# Altium PCB MB1936.PcbDoc (part 1 of 13) (continued)
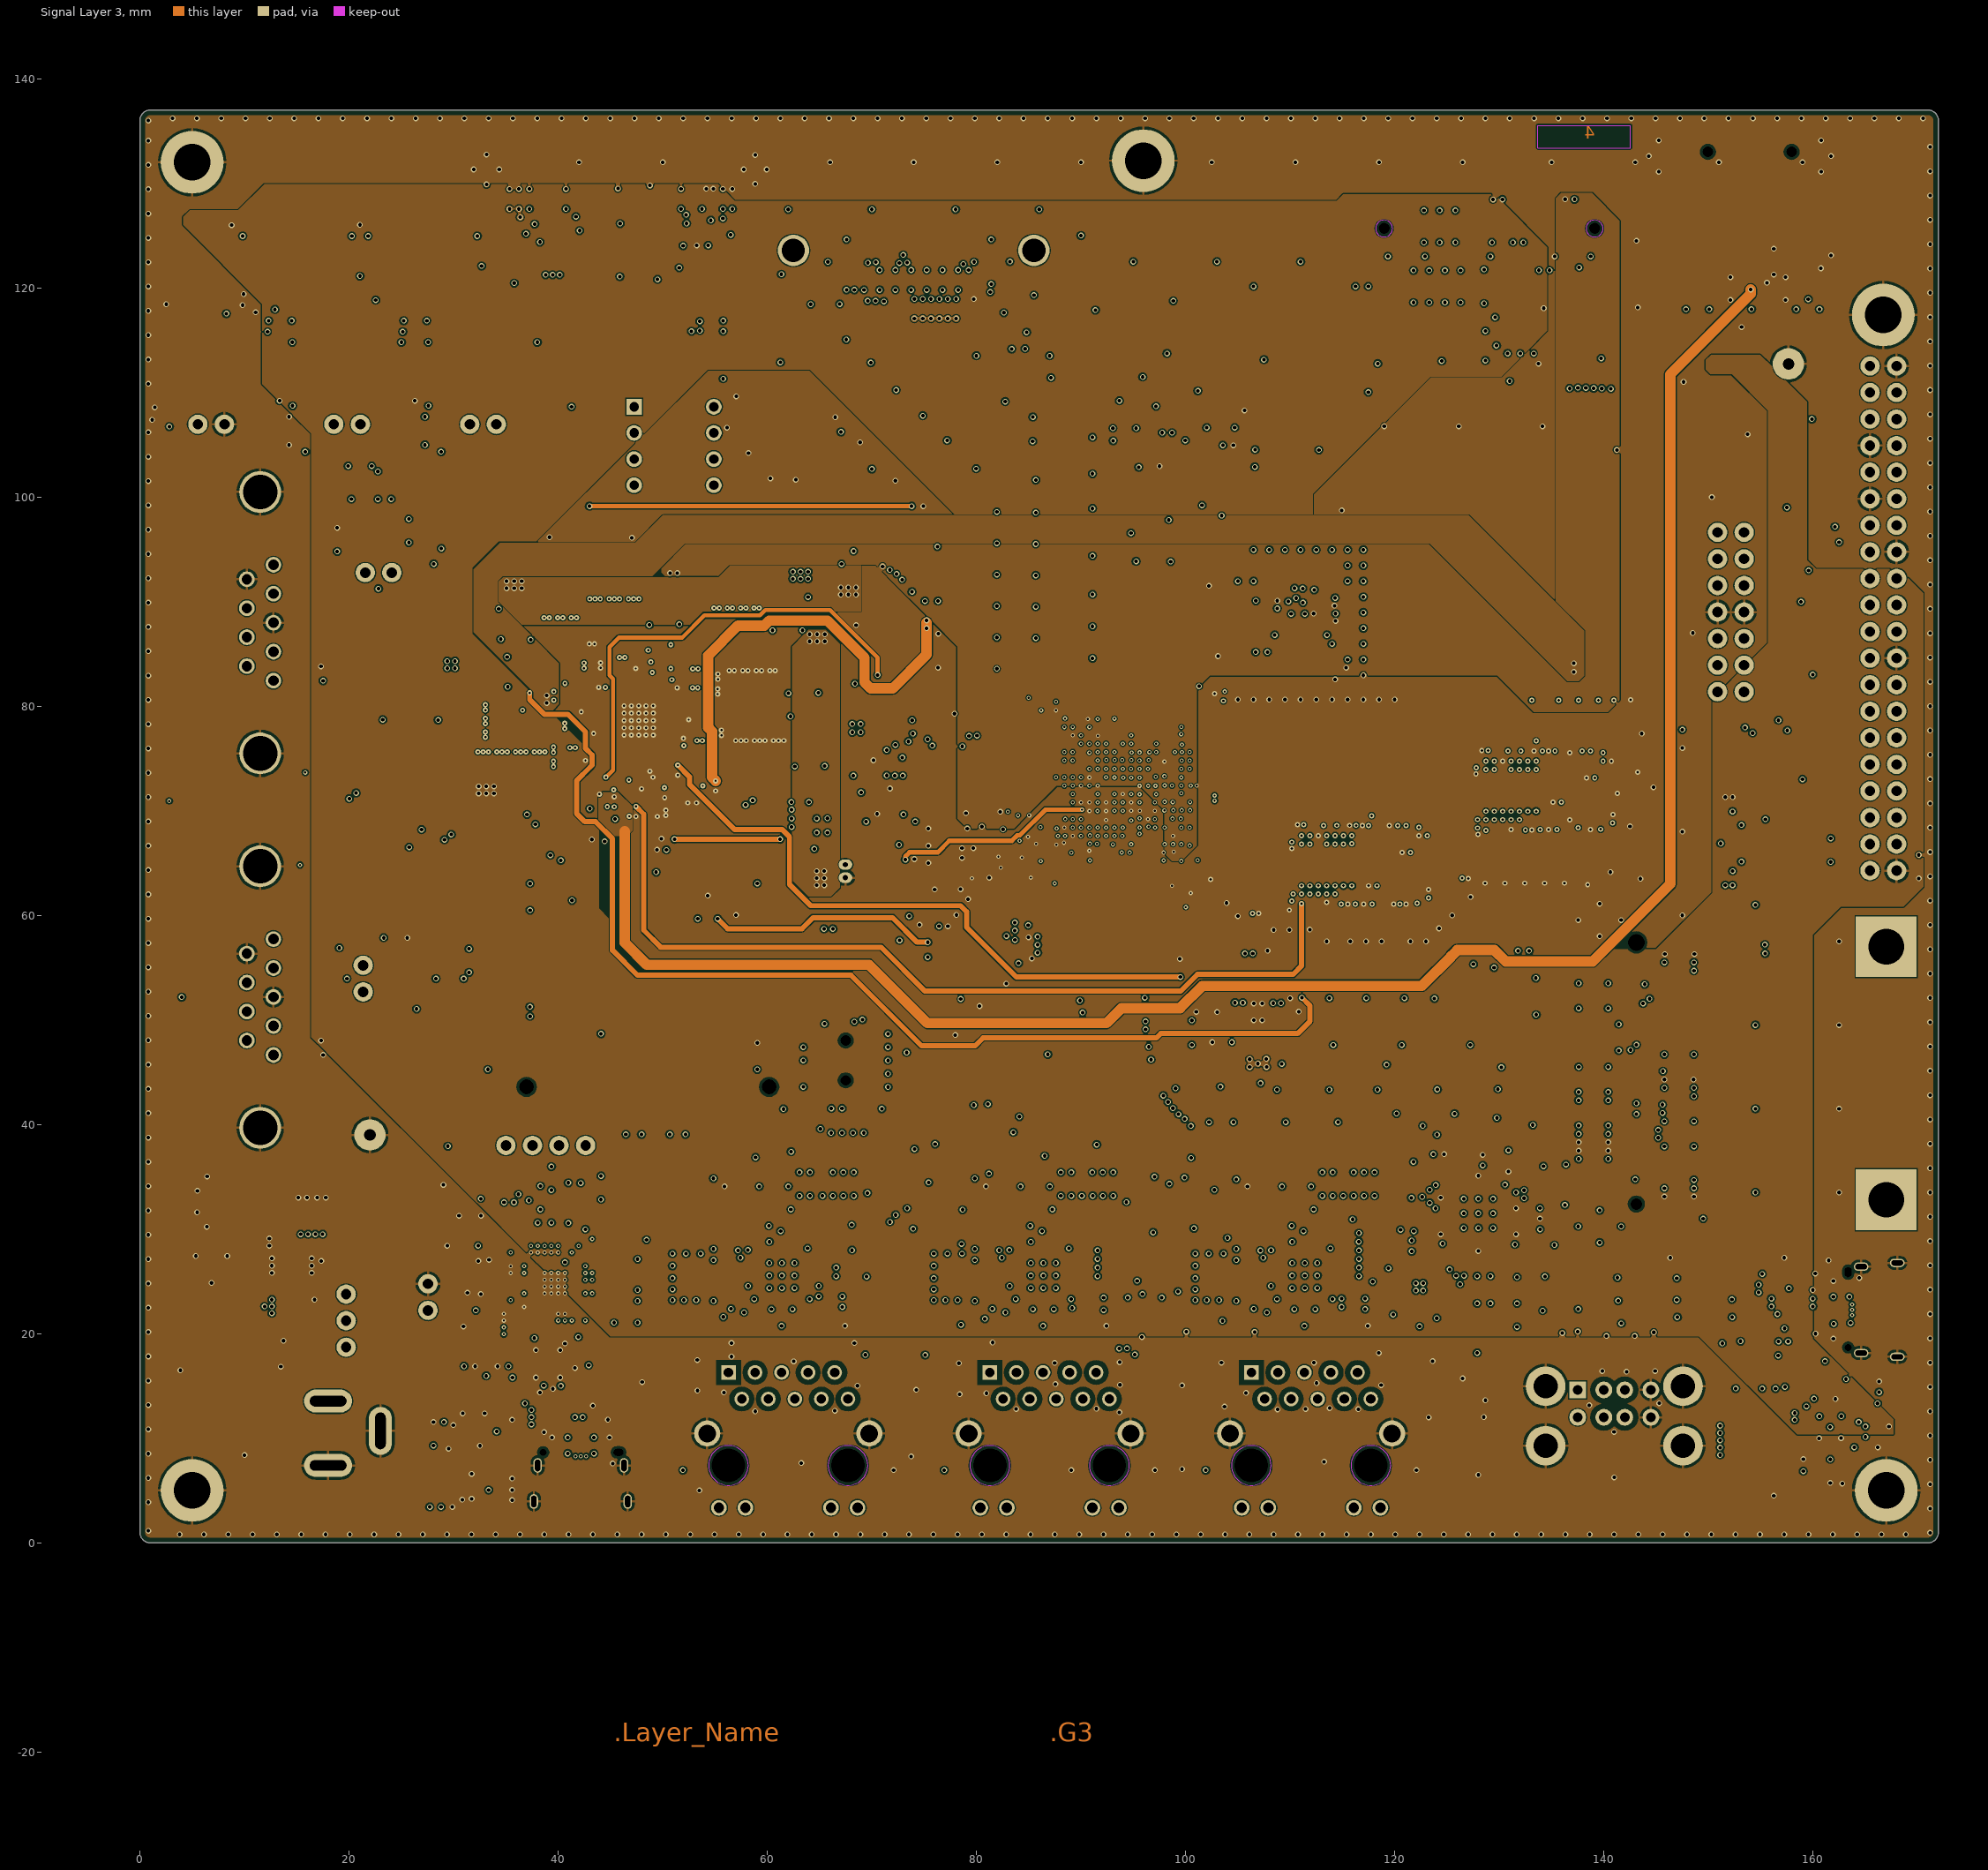
[diagram p4: Signal Layer 3]
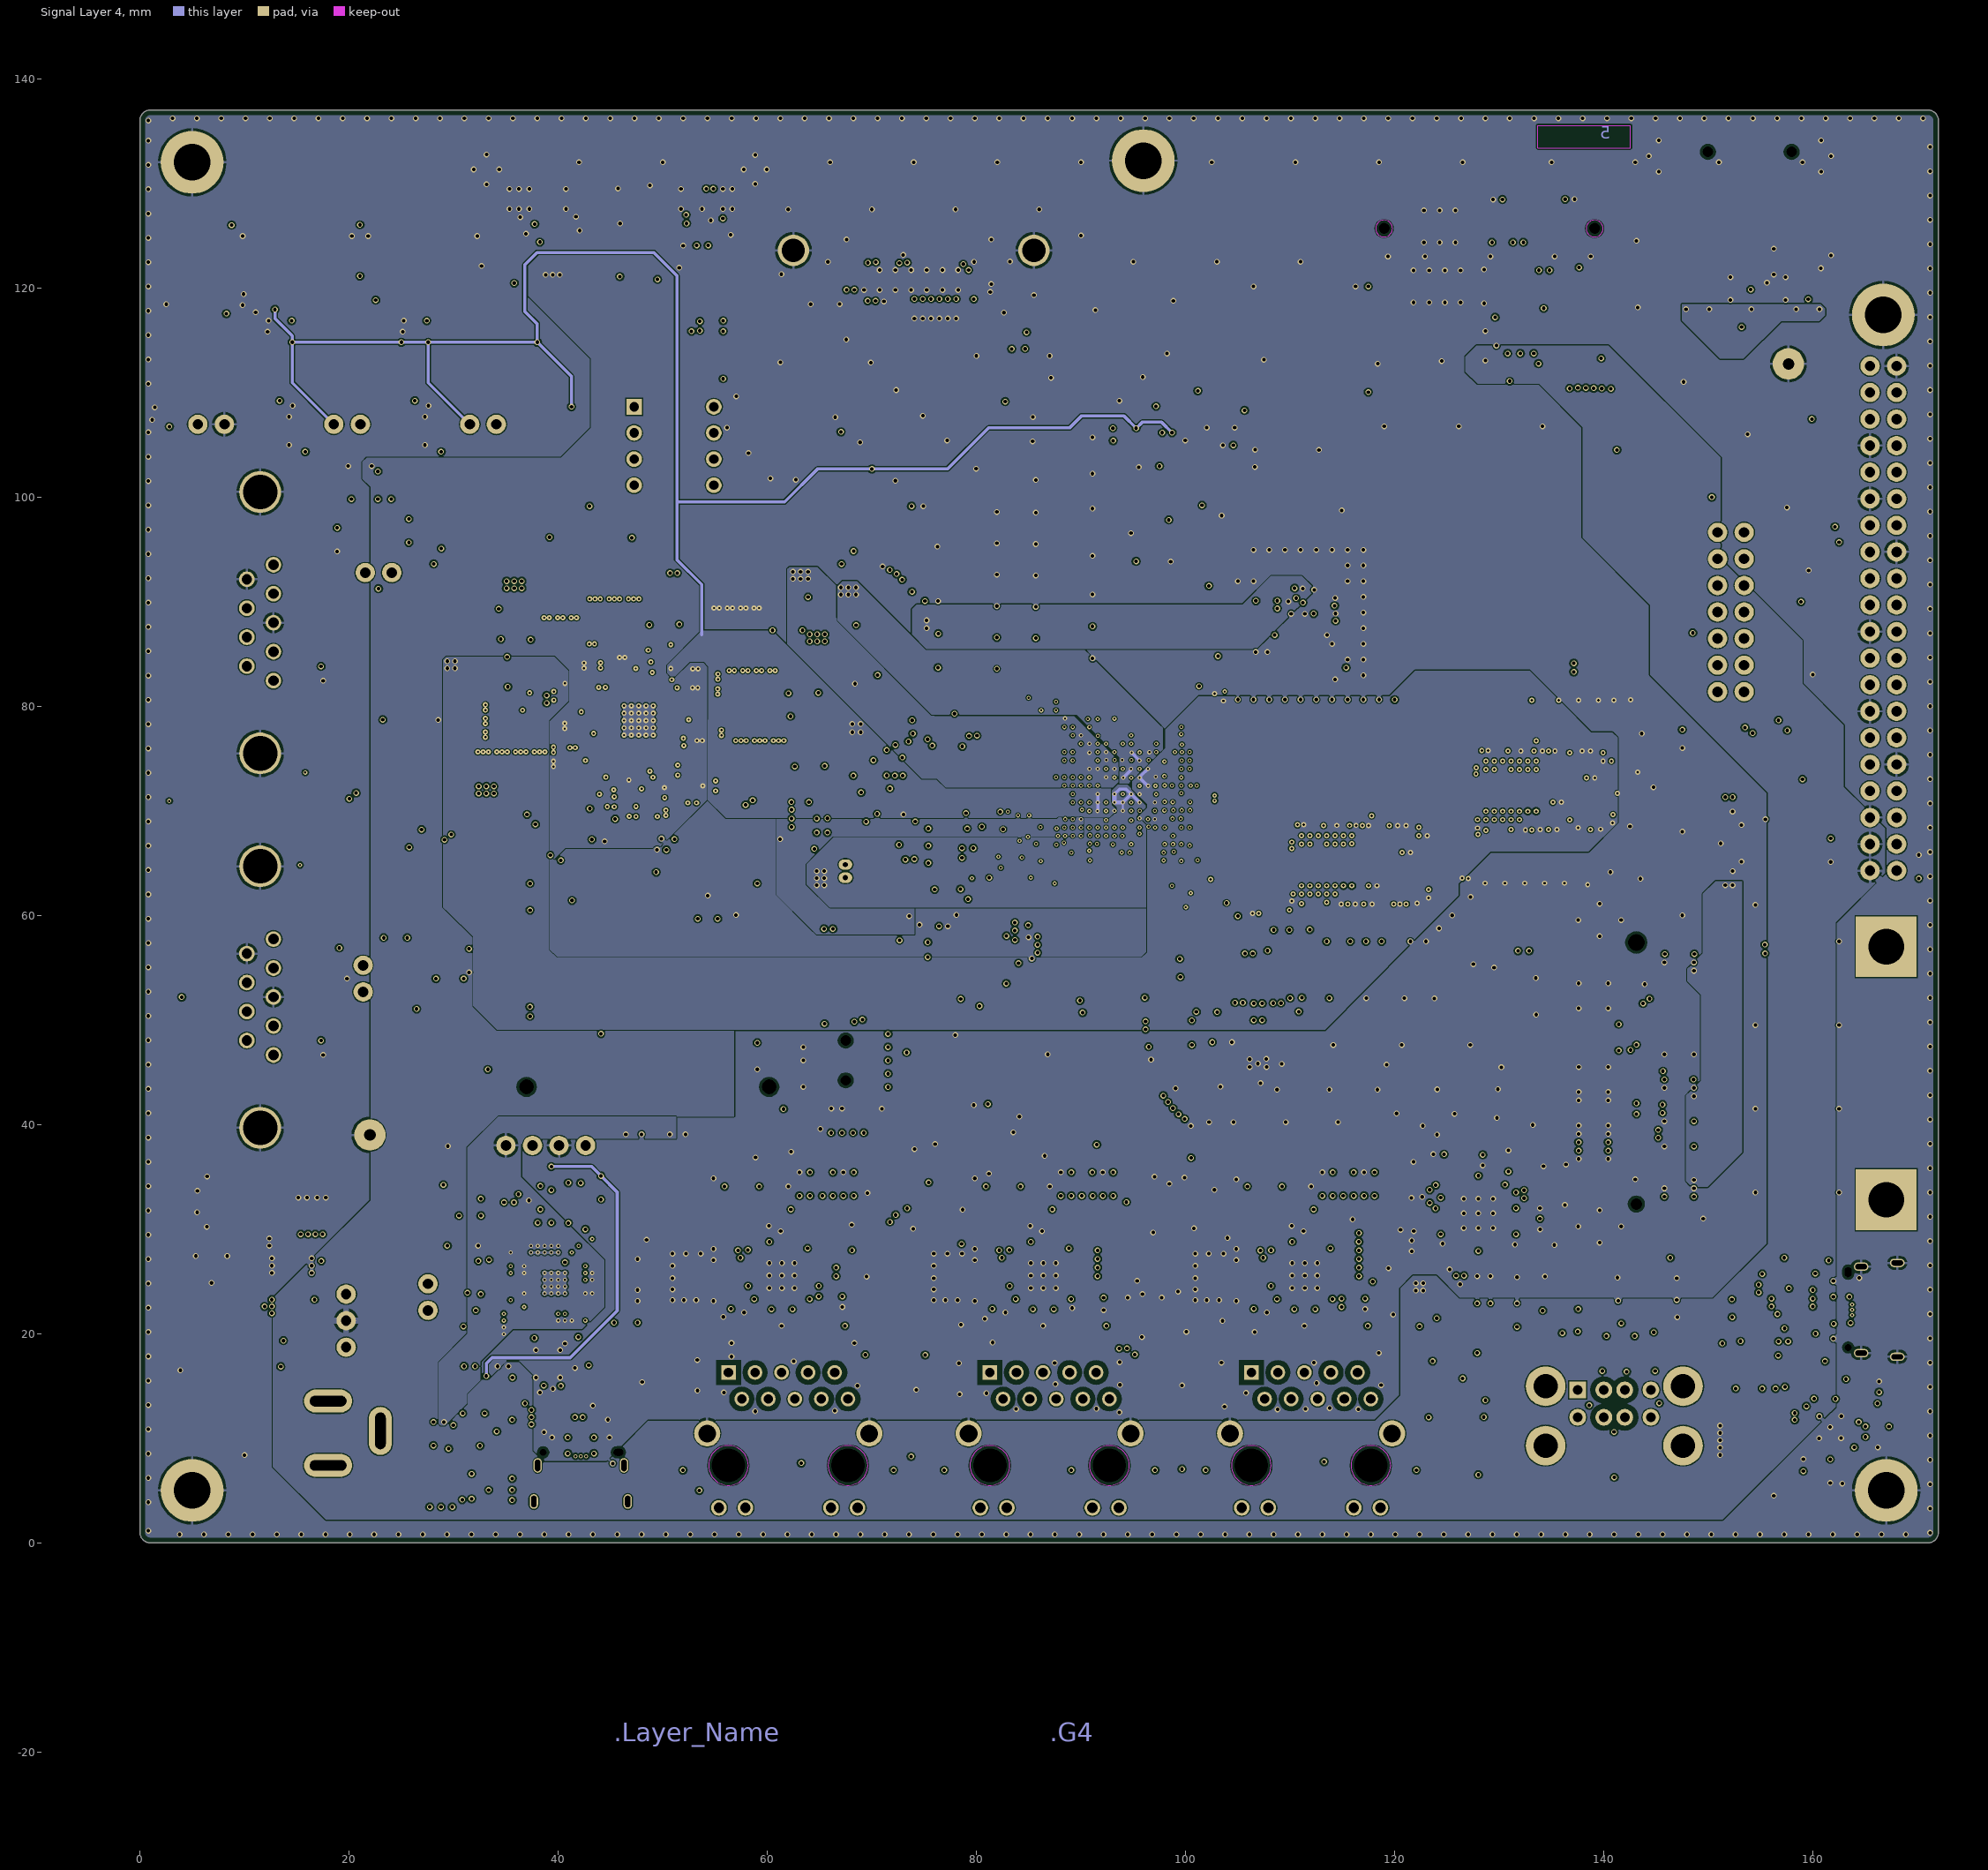
[diagram p5: Signal Layer 4]

## Layer stack, top to bottom
Top Solder: solder mask 0.025, Solder Resist, Dk 3.5
Top Layer: signal copper 0.037
Dielectric 1: prepreg 0.072, Dk 3.8
Signal Layer 1: signal copper 0.035
Dielectric 2: core 0.5, Dk 5
Signal Layer 2: signal copper 0.035
Dielectric 3: core 0.191, Dk 4.3
Signal Layer 3: signal copper 0.035
Dielectric 4: core 0.5, Dk 5
Signal Layer 4: signal copper 0.035
Dielectric 5: prepreg 0.072, Dk 3.8
Bottom Layer: signal copper 0.037
Bottom Solder: solder mask 0.025, Solder Resist, Dk 3.5

## Board outline
0,1 0,95 0,136 cw(c1,136) 1,137 171,137 cw(c171,136) 172,136 172,1 cw(c171,1) 171,0 1,0 cw(c1,1)

## Design rules (kind name [scope] priority, off if disabled: settings)
BoardOutlineClearance Silkscreen [OnLayer('Top Overlay') or OnLayer('Bottom Overlay')] p1: gap=0 ignorepadtopadclearanceinfootprint=FALSE
BoardOutlineClearance [All] p2: gap=0.5 ignorepadtopadclearanceinfootprint=FALSE
Clearance via_in_pad_ok [IsVia vs IsPad and ( (Name='U22-37') or (Name='U27-15') or (Name='U3-21') or (Name='U12-41') or (Name='U11-41') or (Name='U16-41') )] p1: gap=0.3 ignorepadtopadclearanceinfootprint=TRUE except(0: Track-Track Track-SMDPad Track-Via Track-Region SMDPad-Via SMDPad-Hole Via-Region Via-Hole; 0.1: Arc-Arc Arc-Track Arc-SMDPad Arc-THPad Arc-Via Arc-Poly Track-THPad Track-Poly SMDPad-THPad Via-Via Via-Poly Poly-Poly; 0.15: Track-Hole SMDPad-Poly SMDPad-Region Fill-Fill; 0.17: Region-Region; 0.19: Arc-Hole; 0.2: SMDPad-SMDPad THPad-THPad THPad-Via THPad-Poly; 0.25: THPad-Hole Fill-Hole Poly-Hole Region-Hole Text-Hole)
Clearance Clearance_POLY_DIFF-PAIRS [InDifferentialPairClass('DPC_ETH_100R') or InDifferentialPairClass('DPC_CSI_100R') or InDifferentialPairClass('DPC_DSI_100R') or  InDifferentialPairClass('DPC_USB_90R') or InDifferentialPairClass('DPC_DDR_100R') or InDifferentialPairClass('DPC_LVDS_100R') or InDifferentialPairClass('DPC_PCIE_100R') vs IsCopperRegion] p2: gap=0.3 ignorepadtopadclearanceinfootprint=TRUE except(0.1: Arc-Arc Arc-Track Arc-Via Track-Track Track-SMDPad Track-Via Via-Via; 0.12: SMDPad-Via; 0.15: Arc-SMDPad Arc-THPad Track-THPad Track-Region SMDPad-Region Via-Poly; 0.17: Region-Region; 0.2: Track-Hole SMDPad-SMDPad SMDPad-THPad THPad-THPad THPad-Via Via-Hole; 0.245: SMDPad-Hole; 0.25: Arc-Hole THPad-Hole Fill-Hole Poly-Hole Region-Hole Text-Hole; 0.48: Arc-Poly Track-Poly SMDPad-Poly THPad-Poly Fill-Poly Poly-Poly)
Clearance Clearance_BGA-STLINK [HasFootprint('ICC_UFBGA201_176+25_10X10_P065')] p3: gap=0.3 ignorepadtopadclearanceinfootprint=TRUE except(0.1: Arc-Arc Arc-Track Arc-SMDPad Arc-THPad Arc-Via Arc-Poly Track-Track Track-SMDPad Track-THPad Track-Via Track-Poly SMDPad-THPad Via-Via Via-Poly; 0.12: SMDPad-Via; 0.15: Track-Region SMDPad-Poly SMDPad-Region Poly-Poly; 0.17: Region-Region; 0.2: Track-Hole SMDPad-SMDPad THPad-THPad THPad-Via THPad-Poly Via-Hole; 0.23: SMDPad-Hole; 0.25: Arc-Hole THPad-Hole Fill-Hole Poly-Hole Region-Hole Text-Hole)
Clearance Clearance_BGA-MCU [WithinRoom('RoomDefinition_MCU')] p4: gap=0.3 ignorepadtopadclearanceinfootprint=TRUE except(0.09: Arc-Arc Arc-Track Track-Track Track-SMDPad; 0.1: Arc-SMDPad Arc-THPad Arc-Via Arc-Poly Track-THPad Track-Via Track-Poly SMDPad-THPad SMDPad-Via Via-Via Via-Poly; 0.15: Track-Region SMDPad-Poly SMDPad-Region Poly-Poly; 0.17: Region-Region; 0.2: Track-Hole SMDPad-SMDPad SMDPad-Hole THPad-THPad THPad-Via THPad-Poly Via-Hole Poly-Hole; 0.25: Arc-Hole THPad-Hole Fill-Hole Region-Hole Text-Hole)
Clearance Clearance_BGA-DDR [isvia and WithinRoom('RoomDefinition_DDR') vs IsVia or IsCopperRegion] p5: gap=0.3 ignorepadtopadclearanceinfootprint=TRUE except(0.09: Arc-Arc Arc-Track; 0.1: Arc-SMDPad Arc-THPad Arc-Via Arc-Poly Track-SMDPad Track-THPad Track-Via Track-Poly SMDPad-THPad SMDPad-Via Via-Via Via-Poly; 0.15: Track-Region SMDPad-Poly SMDPad-Region Poly-Poly; 0.17: Region-Region; 0.2: Track-Track Track-Hole SMDPad-SMDPad SMDPad-Hole THPad-THPad THPad-Via THPad-Poly Via-Hole Poly-Hole; 0.25: Arc-Hole THPad-Hole Fill-Hole Region-Hole Text-Hole)
Clearance Clearance_BGA-EMMC_U7 [WithinRoom('RoomDefinition_eMMC')] p6: gap=0.3 ignorepadtopadclearanceinfootprint=TRUE except(0.09: Arc-Arc Arc-Track Track-Track Track-SMDPad; 0.1: Arc-SMDPad Arc-THPad Arc-Via Arc-Poly Track-THPad Track-Via Track-Poly SMDPad-THPad SMDPad-Via Via-Via Via-Poly; 0.15: Track-Region SMDPad-Poly SMDPad-Region Poly-Poly; 0.17: Region-Region; 0.2: Track-Hole SMDPad-SMDPad SMDPad-Hole THPad-THPad THPad-Via THPad-Poly Via-Hole; 0.25: Arc-Hole THPad-Hole Fill-Hole Poly-Hole Region-Hole Text-Hole)
Clearance Clearance_SINGLE_55R [InNetClass('NC_SINGLE_DDR_55R') or InNetClass('NC_SINGLE_RGMII_ALL_50R_AND_CLK') or InNetClass('NC_SINGLE_SDMMC1_50R') or  InNetClass('NC_SINGLE_SDMMC2_50R') or  InNetClass('NC_SINGLE_QSPI_50R') or InNetClass('NC_SINGLE_OCTOSPI_50R') vs IsCopperRegion] p7: gap=0.3 ignorepadtopadclearanceinfootprint=TRUE except(0.1: Arc-Arc Arc-Track Arc-SMDPad Arc-THPad Arc-Via Track-SMDPad Track-THPad Track-Via Track-Region SMDPad-SMDPad SMDPad-THPad SMDPad-Via SMDPad-Region THPad-THPad THPad-Via Via-Via Region-Region; 0.15: Via-Poly; 0.2: Track-Track Track-Hole Via-Hole; 0.245: SMDPad-Hole; 0.25: Arc-Hole THPad-Hole Fill-Hole Poly-Hole Region-Hole Text-Hole; 0.33: Arc-Poly Track-Poly SMDPad-Poly THPad-Poly Fill-Poly Poly-Poly)
Clearance Clearance_Default_SAME-NETS [IsTrack vs IsPad] p8: gap=0.1 ignorepadtopadclearanceinfootprint=TRUE except(0: Track-Track Track-SMDPad Track-Via Track-Region SMDPad-Hole Via-Region Via-Hole; 0.05: SMDPad-Via; 0.15: Track-Hole; 0.19: Arc-Hole; 0.25: THPad-Hole Fill-Hole Poly-Hole Region-Hole Text-Hole)
Clearance Clearance_Default [All] p9: gap=0.1 ignorepadtopadclearanceinfootprint=TRUE except(0.2: Track-Hole; 0.245: SMDPad-Hole; 0.25: Arc-Hole THPad-Hole Via-Hole Fill-Hole Poly-Hole Region-Hole Text-Hole)
ComponentClearance [All] p1: gap=0.2 collisioncheckmode=3 verticalgap=0 showdistances=FALSE
DiffPairsRouting DiffPairsRouting_DSI_100R [InDifferentialPairClass('DPC_DSI_100R')] p1: maxlimit=0.16 minlimit=0.1 mostfreqgap=0.254 toplayer_prefgap=0.16 toplayer_minwidth=0.09 toplayer_maxwidth=0.09 toplayer_prefwidth=0.09 bottomlayer_mingap=0.16 bottomlayer_prefgap=0.16 bottomlayer_minwidth=0.09 bottomlayer_maxwidth=0.09 bottomlayer_prefwidth=0.09 impedanceprofiledriven=TRUE impedanceprofileid={5106416E-43F8-41F8-8BCA-F68B3FB1C141} impedanceprofilevalue=100.000000 maxuncoupledlength=12.7
DiffPairsRouting DiffPairsRouting_DDR_100R [InDifferentialPairClass('DPC_DDR_100R')] p2: maxlimit=0.16 minlimit=0.14 mostfreqgap=0.254 toplayer_mingap=0.16 toplayer_prefgap=0.16 toplayer_minwidth=0.09 toplayer_maxwidth=0.09 toplayer_prefwidth=0.09 bottomlayer_mingap=0.16 bottomlayer_prefgap=0.16 bottomlayer_minwidth=0.09 bottomlayer_maxwidth=0.09 bottomlayer_prefwidth=0.09 impedanceprofiledriven=TRUE impedanceprofileid={5106416E-43F8-41F8-8BCA-F68B3FB1C141} impedanceprofilevalue=100.000000 maxuncoupledlength=12.7
DiffPairsRouting DiffPairsRouting_PCIE_100R [InDifferentialPairClass('DPC_PCIE_100R')] p3: maxlimit=0.16 minlimit=0.14 mostfreqgap=0.254 toplayer_prefgap=0.16 toplayer_minwidth=0.09 toplayer_maxwidth=0.09 toplayer_prefwidth=0.09 bottomlayer_mingap=0.16 bottomlayer_prefgap=0.16 bottomlayer_minwidth=0.09 bottomlayer_maxwidth=0.09 bottomlayer_prefwidth=0.09 impedanceprofiledriven=TRUE impedanceprofileid={5106416E-43F8-41F8-8BCA-F68B3FB1C141} impedanceprofilevalue=100.000000 maxuncoupledlength=12.7
DiffPairsRouting DiffPairsRouting_LVDS_100R [InDifferentialPairClass('DPC_LVDS_100R')] p4: maxlimit=0.16 minlimit=0.1 mostfreqgap=0.254 toplayer_prefgap=0.16 toplayer_minwidth=0.09 toplayer_maxwidth=0.09 toplayer_prefwidth=0.09 bottomlayer_mingap=0.16 bottomlayer_prefgap=0.16 bottomlayer_minwidth=0.09 bottomlayer_maxwidth=0.09 bottomlayer_prefwidth=0.09 impedanceprofiledriven=TRUE impedanceprofileid={5106416E-43F8-41F8-8BCA-F68B3FB1C141} impedanceprofilevalue=100.000000 maxuncoupledlength=12.7
DiffPairsRouting DiffPairsRouting_LVDS_100R_CON [InDifferentialPairClass('DPC_LVDS_100R_CON')] p5: maxlimit=0.16 minlimit=0.1 mostfreqgap=0.254 toplayer_prefgap=0.16 toplayer_minwidth=0.09 toplayer_maxwidth=0.09 toplayer_prefwidth=0.09 bottomlayer_mingap=0.16 bottomlayer_prefgap=0.16 bottomlayer_minwidth=0.09 bottomlayer_maxwidth=0.09 bottomlayer_prefwidth=0.09 impedanceprofiledriven=TRUE impedanceprofileid={5106416E-43F8-41F8-8BCA-F68B3FB1C141} impedanceprofilevalue=100.000000 maxuncoupledlength=12.7
DiffPairsRouting DiffPairsRouting_CSI_100R [InDifferentialPairClass('DPC_CSI_100R')] p6: maxlimit=0.16 minlimit=0.1 mostfreqgap=0.254 toplayer_prefgap=0.16 toplayer_minwidth=0.09 toplayer_maxwidth=0.09 toplayer_prefwidth=0.09 bottomlayer_mingap=0.16 bottomlayer_prefgap=0.16 bottomlayer_minwidth=0.09 bottomlayer_maxwidth=0.09 bottomlayer_prefwidth=0.09 impedanceprofiledriven=TRUE impedanceprofileid={5106416E-43F8-41F8-8BCA-F68B3FB1C141} impedanceprofilevalue=100.000000 maxuncoupledlength=12.7
DiffPairsRouting DiffPairsRouting_CSI_100R_CON [InDifferentialPairClass('DPC_CSI_100R_CON')] p7: maxlimit=0.16 minlimit=0.1 mostfreqgap=0.254 toplayer_prefgap=0.16 toplayer_minwidth=0.09 toplayer_maxwidth=0.09 toplayer_prefwidth=0.09 bottomlayer_mingap=0.16 bottomlayer_prefgap=0.16 bottomlayer_minwidth=0.09 bottomlayer_maxwidth=0.09 bottomlayer_prefwidth=0.09 impedanceprofiledriven=TRUE impedanceprofileid={5106416E-43F8-41F8-8BCA-F68B3FB1C141} impedanceprofilevalue=100.000000 maxuncoupledlength=12.7
DiffPairsRouting DiffPairsRouting_USB_90R [InDifferentialPairClass('DPC_USB_90R')] p8: maxlimit=0.254 minlimit=0.09 mostfreqgap=0.13 toplayer_mingap=0.12 toplayer_maxgap=0.12 toplayer_prefgap=0.12 toplayer_minwidth=0.1 toplayer_maxwidth=0.1 toplayer_prefwidth=0.1 bottomlayer_mingap=0.12 bottomlayer_maxgap=0.12 bottomlayer_prefgap=0.12 bottomlayer_minwidth=0.1 bottomlayer_maxwidth=0.1 bottomlayer_prefwidth=0.1 impedanceprofiledriven=TRUE impedanceprofileid={E4FB221D-3FF4-46AB-B3B1-6676B59CEA93} impedanceprofilevalue=90.000000 maxuncoupledlength=12.7
DiffPairsRouting DiffPairsRouting_ETH_100R [InDifferentialPairClass('DPC_ETH_100R')] p9: maxlimit=0.254 minlimit=0.09 mostfreqgap=0.13 toplayer_mingap=0.16 toplayer_maxgap=0.16 toplayer_prefgap=0.16 toplayer_minwidth=0.09 toplayer_maxwidth=0.09 toplayer_prefwidth=0.09 bottomlayer_mingap=0.16 bottomlayer_maxgap=0.16 bottomlayer_prefgap=0.16 bottomlayer_minwidth=0.09 bottomlayer_maxwidth=0.09 bottomlayer_prefwidth=0.09 impedanceprofiledriven=TRUE impedanceprofileid={5106416E-43F8-41F8-8BCA-F68B3FB1C141} impedanceprofilevalue=100.000000 maxuncoupledlength=12.7
FanoutControl Fanout_BGA [IsBGA] p1: bgadir=Out bgaviamode=Closest fanoutstyle=Auto fanoutdirection=Alternating viagrid=0.025 // Fanout_BGA (Default Rule)
FanoutControl Fanout_LCC [IsLCC] p2: bgadir=Out bgaviamode=Closest fanoutstyle=Auto fanoutdirection=Alternating viagrid=0.025 // Fanout_LCC (Default Rule)
FanoutControl Fanout_SOIC [IsSOIC] p3: bgadir=Out bgaviamode=Closest fanoutstyle=Auto fanoutdirection=Alternating viagrid=0.025 // Fanout_SOIC (Default Rule)
FanoutControl Fanout_Small [(CompPinCount < 5)] p4: bgadir=Out bgaviamode=Closest fanoutstyle=Auto fanoutdirection=OutThenIn viagrid=0.025 // Fanout_Small (Default Rule)
FanoutControl Fanout_Default [All] p5: bgadir=Out bgaviamode=Closest fanoutstyle=Auto fanoutdirection=Alternating viagrid=0.025 // Fanout_Default (Default Rule)
HoleSize [All] p1: absolutevalues=TRUE maxlimit=10 minlimit=0.025 maxpercent=80.000 minpercent=20.000
HoleToHoleClearance [All] p1: gap=0.25 allowstackedmicrovias=TRUE
Length Length__SINGLE_SDMMC1_50R [InNetClass('NC_SINGLE_SDMMC1_50R')] p1: maxlimit=100 minlimit=0
Length Length__SINGLE_SDMMC2_50R [InNetClass('NC_SINGLE_SDMMC2_50R')] p2: maxlimit=50 minlimit=0
MatchedLengths MatchedLengths-ETH.RX1/3 [InxSignalClass('ETH1/3_RX')] p1: tolerance=5 checknetsindiffpair=FALSE checkdiffpairvsdiffpair=TRUE checkxsignals=TRUE checkothers=TRUE
MatchedLengths MatchedLengths-ETH.TX1/3 [InxSignalClass('ETH1/3_TX')] p2: tolerance=5 checknetsindiffpair=FALSE checkdiffpairvsdiffpair=TRUE checkxsignals=TRUE checkothers=TRUE
MatchedLengths MatchedLengths-ETH1/3_CLK [InxSignalClass('ETH1/3_CLK')] p3: tolerance=1 checknetsindiffpair=FALSE checkdiffpairvsdiffpair=TRUE checkxsignals=TRUE checkothers=TRUE
MatchedLengths MatchedLengths-EXTRA__LVDS_100R [InDifferentialPairClass('DPC_LVDS_100R')] p4: tolerance=5 checknetsindiffpair=FALSE checkdiffpairvsdiffpair=TRUE checkxsignals=TRUE checkothers=TRUE
MatchedLengths MatchedLengths-EXTRA__LVDS_100R_CON [InDifferentialPairClass('DPC_LVDS_100R_CON')] p5: tolerance=5 checknetsindiffpair=FALSE checkdiffpairvsdiffpair=TRUE checkxsignals=TRUE checkothers=TRUE
MatchedLengths MatchedLengths-EXTRA__PCIE_100R [InxSignalClass('DPX_PCIe')] p6: tolerance=5 checknetsindiffpair=FALSE checkdiffpairvsdiffpair=TRUE checkxsignals=TRUE checkothers=TRUE
MatchedLengths MatchedLengths-EXTRA__DSI_100R [InDifferentialPairClass('DPC_DSI_100R')] p7: tolerance=3 checknetsindiffpair=FALSE checkdiffpairvsdiffpair=TRUE checkxsignals=TRUE checkothers=TRUE
MatchedLengths MatchedLengths-INTRA__SINGLE_SDMMC1_50R [InNetClass('NC_SINGLE_SDMMC1_50R')] p8: tolerance=5 checknetsindiffpair=FALSE checkdiffpairvsdiffpair=TRUE checkxsignals=TRUE checkothers=TRUE
MatchedLengths MatchedLengths-INTRA__SINGLE_SDMMC2_50R [InNetClass('NC_SINGLE_SDMMC2_50R')] p9: tolerance=5 checknetsindiffpair=FALSE checkdiffpairvsdiffpair=TRUE checkxsignals=TRUE checkothers=TRUE
MatchedLengths MatchedLengths-INTRA__SINGLE_OCTOSPI_50R [InNetClass('NC_SINGLE_OCTOSPI_50R')] p10: tolerance=5 checknetsindiffpair=FALSE checkdiffpairvsdiffpair=TRUE checkxsignals=TRUE checkothers=TRUE
MatchedLengths MatchedLengths-EXTRA__CSI_100R [InDifferentialPairClass('DPC_CSI_100R')] p11: tolerance=1.3 checknetsindiffpair=FALSE checkdiffpairvsdiffpair=TRUE checkxsignals=TRUE checkothers=TRUE
MatchedLengths MatchedLengths-EXTRA__CSI_100R_CON [InDifferentialPairClass('DPC_CSI_100R_CON')] p12: tolerance=1.3 checknetsindiffpair=FALSE checkdiffpairvsdiffpair=TRUE checkxsignals=TRUE checkothers=TRUE
MaxMinImpedance "Schematic Impedance Constraint_3" [InNet('STLK_USB_CN_N')] p1: minimum=85.00 maximum=95.00
MaxMinImpedance "Schematic Impedance Constraint_2" [InNet('STLK_USB_P')] p2: minimum=85.00 maximum=95.00
MaxMinImpedance "Schematic Impedance Constraint_1" [InNet('STLK_USB_N')] p3: minimum=85.00 maximum=95.00
MaxMinImpedance "Schematic Impedance Constraint" [InNet('STLK_USB_CN_P')] p4: minimum=85.00 maximum=95.00
MinimumSolderMaskSliver [All] p1: minsoldermaskwidth=0.07
PlaneConnect [All] p1: planeconnectstyle=Direct reliefexpansion=0.508 reliefentries=4 reliefconductorwidth=0.21 reliefairgap=0.21
PolygonConnect PolygonConnect_Default [All] p1: thpad.connectstyle=Relief thpad.reliefconductorwidth=0.25 thpad.reliefentries=4 thpad.polygonreliefangle="90 Angle" thpad.airgapwidth=0.25 smdpad.connectstyle=NoConnect smdpad.reliefconductorwidth=0.2 smdpad.reliefentries=4 smdpad.polygonreliefangle="90 Angle" smdpad.airgapwidth=0.15 via.connectstyle=Direct via.reliefconductorwidth=0.2 via.reliefentries=4 via.polygonreliefangle="90 Angle" via.airgapwidth=0.2
RoomDefinition RoomDefinition_DDR [All] p1: confinementstyle=ConfineIn formatcopy=TRUE lockcomponents=FALSE outline 106.2,80.475 143.382,80.475 143.382,59.475 106.2,59.475
RoomDefinition RoomDefinition_eMMC [All] p2: confinementstyle=ConfineIn formatcopy=TRUE lockcomponents=FALSE outline 114.93,92.37 114.93,86.345 106.195,86.345 106.195,92.37
RoomDefinition RoomDefinition_MCU [All] p3: confinementstyle=ConfineIn formatcopy=TRUE lockcomponents=FALSE outline 81.172,84.475 106.072,84.475 106.072,60.475 81.172,60.475
RoutingLayers RoutingLayers_SINGLE_SDMMC1_50R [InNetClass('NC_SINGLE_SDMMC1_50R')] p1: top layer_v5=TRUE mid layer 1_v5=FALSE mid layer 2_v5=FALSE mid layer 3_v5=FALSE mid layer 4_v5=FALSE bottom layer_v5=TRUE
RoutingLayers RoutingLayers_SINGLE_SDMMC2_50R [InNetClass('NC_SINGLE_SDMMC2_50R')] p2: top layer_v5=TRUE mid layer 1_v5=FALSE mid layer 2_v5=FALSE mid layer 3_v5=FALSE mid layer 4_v5=FALSE bottom layer_v5=TRUE
RoutingLayers RoutingLayers_SINGLE_OCTOSPI_50R [InNetClass('NC_SINGLE_OCTOSPI_50R')] p3: top layer_v5=TRUE mid layer 1_v5=FALSE mid layer 2_v5=FALSE mid layer 3_v5=FALSE mid layer 4_v5=FALSE bottom layer_v5=TRUE
RoutingLayers RoutingLayers_SINGLE_DDR_55R [InNetClass('NC_SINGLE_DDR_55R')] p4: top layer_v5=TRUE mid layer 1_v5=FALSE mid layer 2_v5=FALSE mid layer 3_v5=FALSE mid layer 4_v5=FALSE bottom layer_v5=TRUE
RoutingLayers RoutingLayers_SINGLE_RGMII_ALL_50R_AND_CLK [InNetClass('NC_SINGLE_RGMII_ALL_50R_AND_CLK')] p5: top layer_v5=TRUE mid layer 1_v5=FALSE mid layer 2_v5=FALSE mid layer 3_v5=FALSE mid layer 4_v5=FALSE bottom layer_v5=TRUE
RoutingLayers RoutingLayers_I_SENS_XX_L3 [InNetClass('NC_I_SENS_XXX')] p6: top layer_v5=TRUE mid layer 1_v5=FALSE mid layer 2_v5=TRUE mid layer 3_v5=FALSE mid layer 4_v5=FALSE bottom layer_v5=TRUE